# Altium PCB DIO_RJ45.PCBDOC (part 1 of 3) (continued)
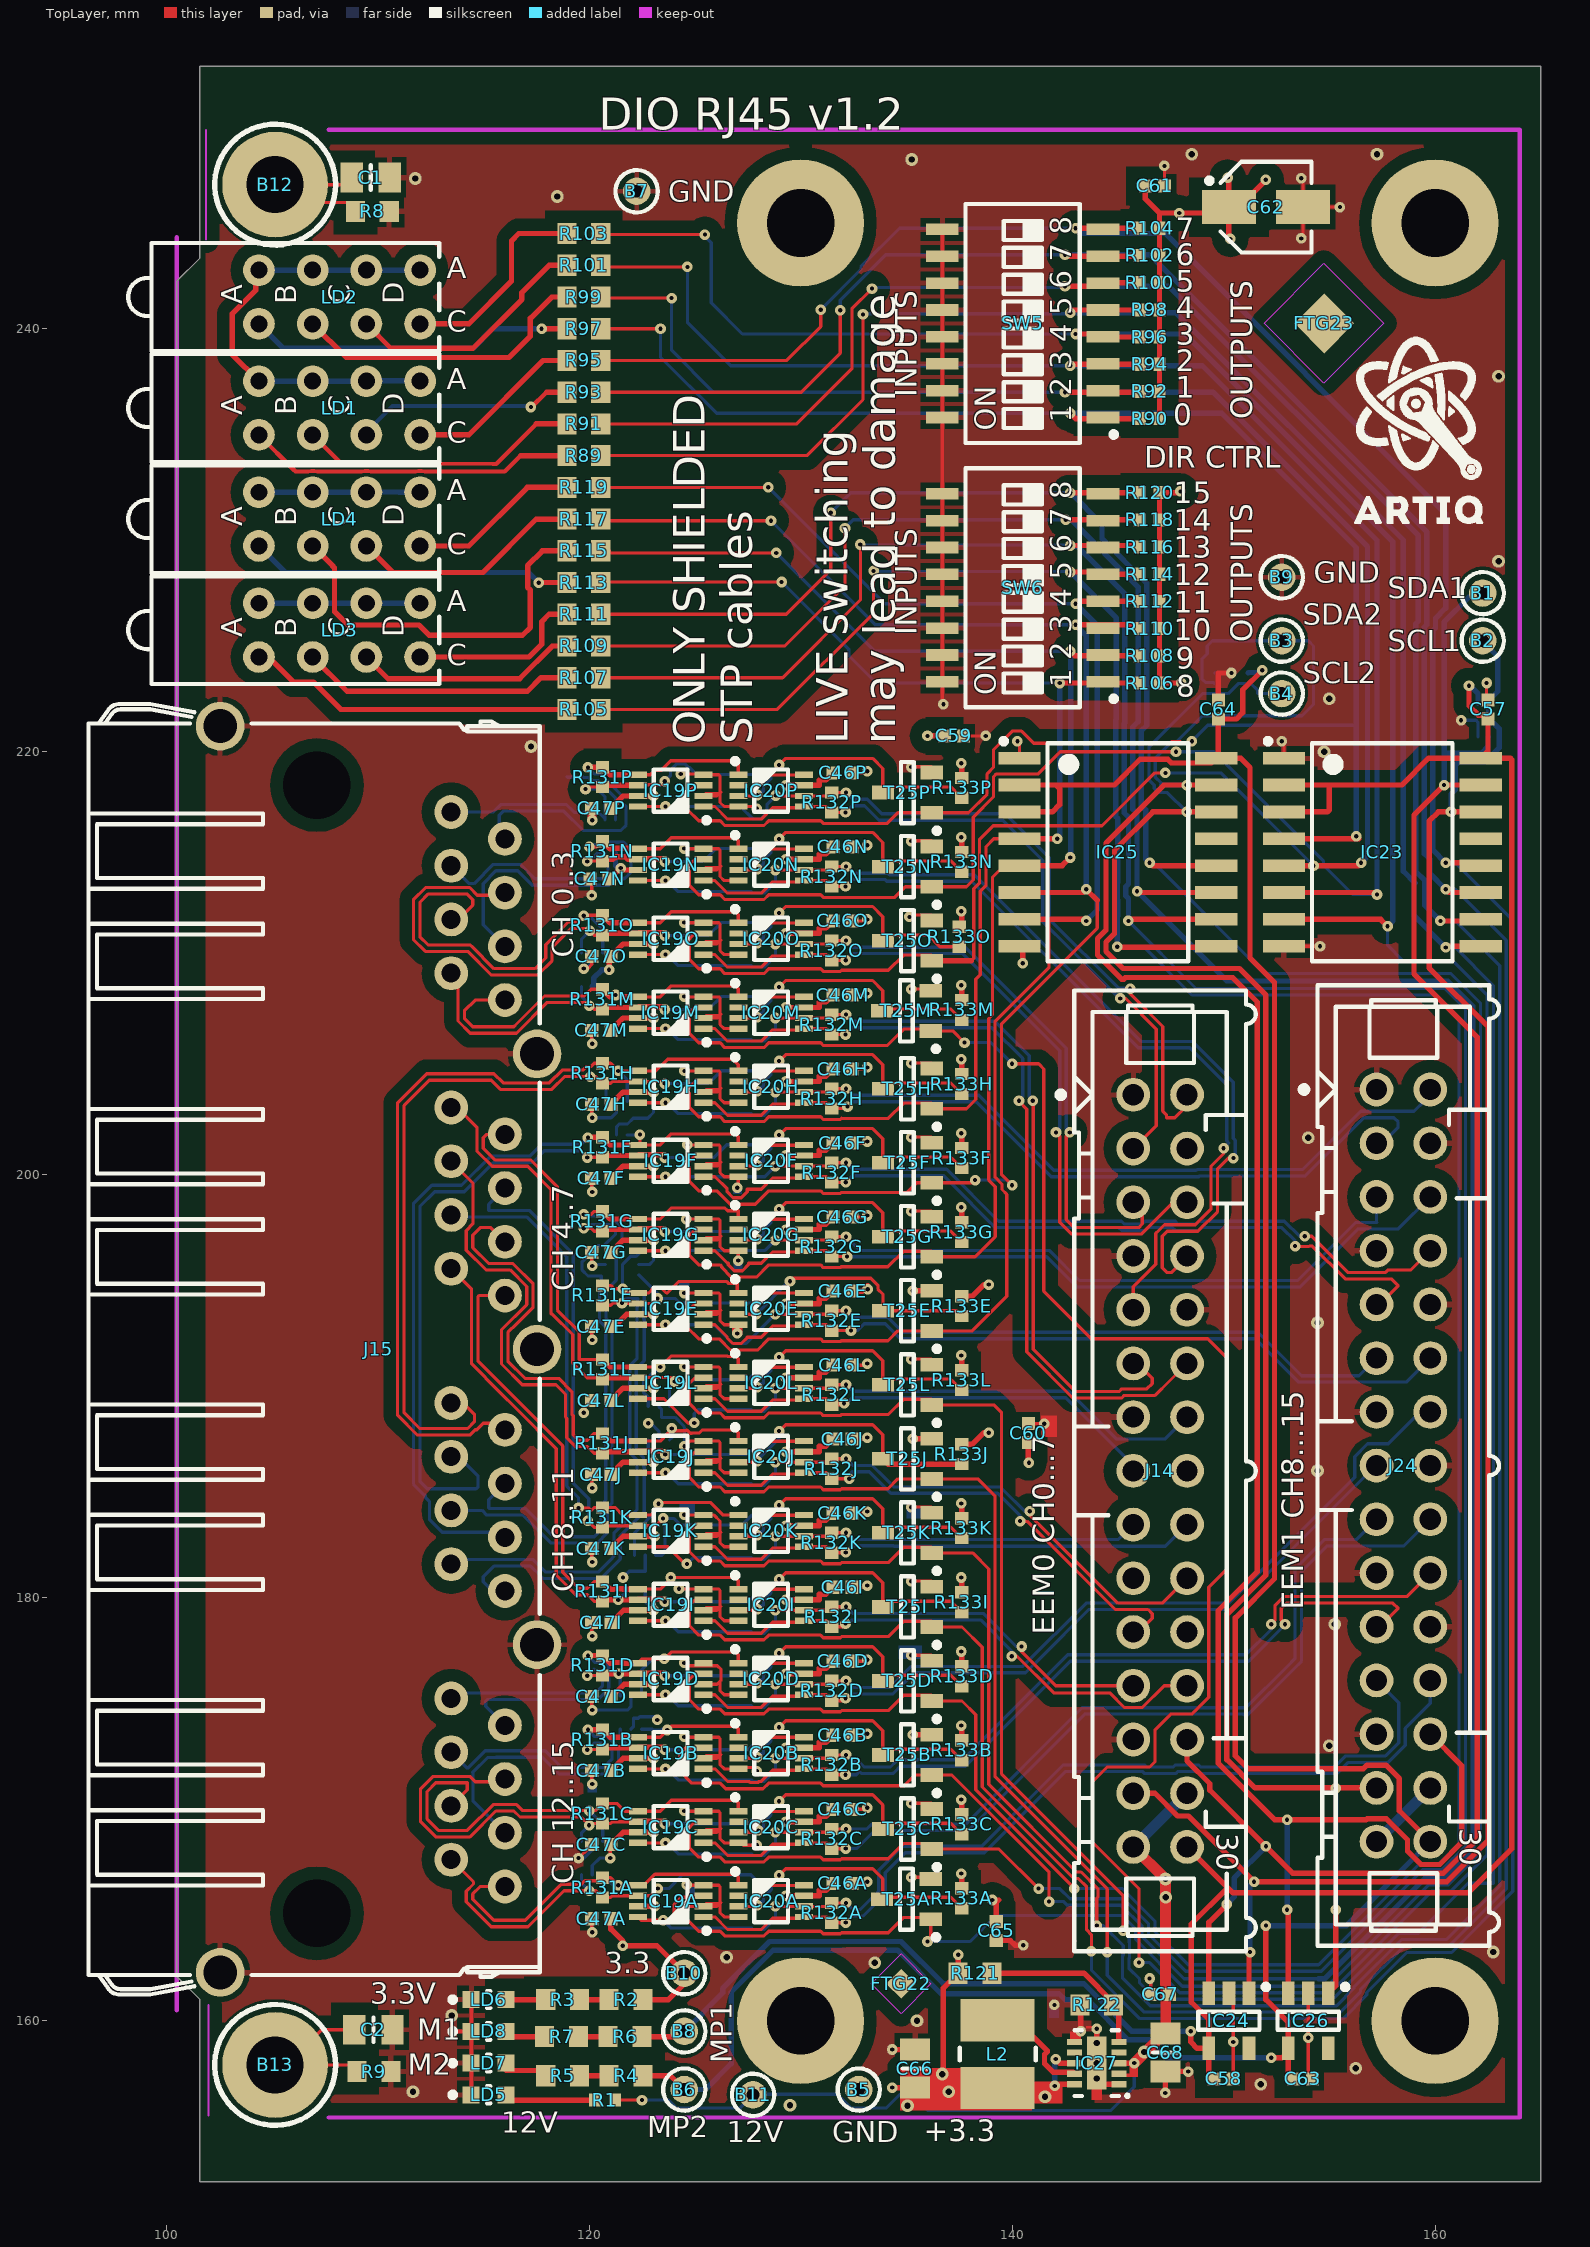
[diagram p0: TopLayer view]
## Components (designator, comment, footprint, x,y, rotation, side; value= is the part's Value field where it differs from the comment) (continued)
IC20H "FIN1101K8X" SOP50P310X90-8N 128.603,204.16 r0 top (schematic designator IC20)
IC20I "FIN1101K8X" SOP50P310X90-8N 128.603,179.66 r0 top (schematic designator IC20)
IC20J "FIN1101K8X" SOP50P310X90-8N 128.603,186.66 r0 top (schematic designator IC20)
IC20K "FIN1101K8X" SOP50P310X90-8N 128.603,183.16 r0 top (schematic designator IC20)
IC20L "FIN1101K8X" SOP50P310X90-8N 128.603,190.16 r0 top (schematic designator IC20)
IC20M "FIN1101K8X" SOP50P310X90-8N 128.603,207.66 r0 top (schematic designator IC20)
IC20N "FIN1101K8X" SOP50P310X90-8N 128.603,214.66 r0 top (schematic designator IC20)
IC20O "FIN1101K8X" SOP50P310X90-8N 128.603,211.16 r0 top (schematic designator IC20)
IC20P "FIN1101K8X" SOP50P310X90-8N 128.603,218.16 r0 top (schematic designator IC20)
IC23 "PCF8574ADW" SOIC127P1030X265-16N 157.5,215.25 r0 top
IC24 "24AA02E48T-I/OT" SOT95P280X145-5N 150.25,160 r270 top
IC25 "PCF8574ADW" SOIC127P1030X265-16N 145,215.25 r0 top
IC26 "24AA02E48T-I/OT" SOT95P280X145-5N 154,160 r270 top
IC27 "TPS62175DQC" SON50P200X300X80-11N-R94X250 144,158 r180 top
J14 "=Familly" 3M_N2530-6002RB 147,186 r270 top
J15 "RJ45" TYCO_5406203-3 114.75,191.75 r90 top locked
J24 "=Familly" 3M_N2530-6002RB 158.5,186.25 r270 top
L2 "10uH" IND_MURATA-PS_8400 139.319,158.42 r270 top
LD1 "Green" LED_BIVAR_H485CGDL 108.2,236.25 r0 top locked
LD2 "Green" LED_BIVAR_H485CGDL 108.2,241.5 r0 top locked
LD3 "Green" LED_BIVAR_H485CGDL 108.2,225.75 r0 top locked
LD4 "Green" LED_BIVAR_H485CGDL 108.2,231 r0 top locked
LD5 "Green" LED_KINGBRIGHT_KPH-1608CGCK 115.25,156.5 r0 top
LD6 "Green" LED_KINGBRIGHT_KPH-1608CGCK 115.25,161 r0 top
LD7 "Green" LED_KINGBRIGHT_KPH-1608CGCK 115.25,158 r0 top
LD8 "Green" LED_KINGBRIGHT_KPH-1608CGCK 115.25,159.5 r0 top
R1 "10k" RESC1005X40N 120.75,156.25 r0 top
R2 "220" RESC1608X55N 121.75,161 r180 top
R3 "220" RESC1608X55N 118.75,161 r180 top
R4 "220" RESC1608X55N 121.75,157.4 r180 top
R5 "220" RESC1608X55N 118.75,157.4 r180 top
R6 "220" RESC1608X55N 121.7,159.25 r180 top
R7 "220" RESC1608X55N 118.7,159.25 r180 top
R8 "0" RESC1608X55N 109.75,245.55 r180 top
R9 "0" RESC1608X55N 109.825,157.6 r180 top
R89 "220" RESC1608X55N 119.75,234 r0 top
R90 "10k" RESC1005X40N 146.5,235.75 r0 top
R91 "220" RESC1608X55N 119.75,235.5 r0 top
R92 "10k" RESC1005X40N 146.5,237.036 r0 top
R93 "220" RESC1608X55N 119.75,237 r0 top
R94 "10k" RESC1005X40N 146.5,238.321 r0 top
R95 "220" RESC1608X55N 119.75,238.5 r0 top
R96 "10k" RESC1005X40N 146.5,239.607 r0 top
R97 "220" RESC1608X55N 119.75,240 r0 top
R98 "10k" RESC1005X40N 146.5,240.893 r0 top
R99 "220" RESC1608X55N 119.75,241.5 r0 top
R100 "10k" RESC1005X40N 146.5,242.179 r0 top
R101 "220" RESC1608X55N 119.75,243 r0 top
R102 "10k" RESC1005X40N 146.5,243.464 r0 top
R103 "220" RESC1608X55N 119.75,244.5 r0 top
R104 "10k" RESC1005X40N 146.5,244.75 r0 top
R105 "220" RESC1608X55N 119.75,222 r0 top
R106 "10k" RESC1005X40N 146.5,223.25 r0 top
R107 "220" RESC1608X55N 119.75,223.5 r0 top
R108 "10k" RESC1005X40N 146.5,224.536 r0 top
R109 "220" RESC1608X55N 119.75,225 r0 top
R110 "10k" RESC1005X40N 146.5,225.821 r0 top
R111 "220" RESC1608X55N 119.75,226.5 r0 top
R112 "10k" RESC1005X40N 146.5,227.107 r0 top
R113 "220" RESC1608X55N 119.75,228 r0 top
R114 "10k" RESC1005X40N 146.5,228.393 r0 top
R115 "220" RESC1608X55N 119.75,229.5 r0 top
R116 "10k" RESC1005X40N 146.5,229.679 r0 top
R117 "220" RESC1608X55N 119.75,231 r0 top
R118 "10k" RESC1005X40N 146.5,230.964 r0 top
R119 "220" RESC1608X55N 119.75,232.5 r0 top
R120 "10k" RESC1005X40N 146.5,232.25 r0 top
R121 "270k" RESC1608X55N 138.25,162.25 r180 top
R122 "82k" RESC1608X55N 144,160.75 r0 top
R131A "100" RESC1005X40N 120.628,166.299 r270 top (schematic designator R131)
R131B "100" RESC1005X40N 120.628,173.299 r270 top (schematic designator R131)
R131C "100" RESC1005X40N 120.628,169.799 r270 top (schematic designator R131)
R131D "100" RESC1005X40N 120.628,176.799 r270 top (schematic designator R131)
R131E "100" RESC1005X40N 120.628,194.299 r270 top (schematic designator R131)
R131F "100" RESC1005X40N 120.628,201.299 r270 top (schematic designator R131)
R131G "100" RESC1005X40N 120.628,197.799 r270 top (schematic designator R131)
R131H "100" RESC1005X40N 120.628,204.799 r270 top (schematic designator R131)
R131I "100" RESC1005X40N 120.628,180.299 r270 top (schematic designator R131)
R131J "100" RESC1005X40N 120.628,187.299 r270 top (schematic designator R131)
R131K "100" RESC1005X40N 120.628,183.799 r270 top (schematic designator R131)
R131L "100" RESC1005X40N 120.628,190.799 r270 top (schematic designator R131)
R131M "100" RESC1005X40N 120.628,208.299 r270 top (schematic designator R131)
R131N "100" RESC1005X40N 120.628,215.299 r270 top (schematic designator R131)
R131O "100" RESC1005X40N 120.628,211.799 r270 top (schematic designator R131)
R131P "100" RESC1005X40N 120.628,218.799 r270 top (schematic designator R131)
R132A "100" RESC1005X40N 131.474,165.101 r270 top (schematic designator R132)
R132B "100" RESC1005X40N 131.474,172.101 r270 top (schematic designator R132)
R132C "100" RESC1005X40N 131.474,168.601 r270 top (schematic designator R132)
R132D "100" RESC1005X40N 131.474,175.601 r270 top (schematic designator R132)
R132E "100" RESC1005X40N 131.474,193.101 r270 top (schematic designator R132)
R132F "100" RESC1005X40N 131.474,200.101 r270 top (schematic designator R132)
R132G "100" RESC1005X40N 131.474,196.601 r270 top (schematic designator R132)
R132H "100" RESC1005X40N 131.474,203.601 r270 top (schematic designator R132)
R132I "100" RESC1005X40N 131.474,179.101 r270 top (schematic designator R132)
R132J "100" RESC1005X40N 131.474,186.101 r270 top (schematic designator R132)
R132K "100" RESC1005X40N 131.474,182.601 r270 top (schematic designator R132)
R132L "100" RESC1005X40N 131.474,189.601 r270 top (schematic designator R132)
R132M "100" RESC1005X40N 131.474,207.101 r270 top (schematic designator R132)
R132N "100" RESC1005X40N 131.474,214.101 r270 top (schematic designator R132)
R132O "100" RESC1005X40N 131.474,210.601 r270 top (schematic designator R132)
R132P "100" RESC1005X40N 131.474,217.601 r270 top (schematic designator R132)
R133A "10k" RESC1005X40N 137.62,165.791 r90 top (schematic designator R133)
R133B "10k" RESC1005X40N 137.62,172.791 r90 top (schematic designator R133)
R133C "10k" RESC1005X40N 137.62,169.291 r90 top (schematic designator R133)
R133D "10k" RESC1005X40N 137.62,176.291 r90 top (schematic designator R133)
R133E "10k" RESC1005X40N 137.62,193.791 r90 top (schematic designator R133)
R133F "10k" RESC1005X40N 137.62,200.791 r90 top (schematic designator R133)
R133G "10k" RESC1005X40N 137.62,197.291 r90 top (schematic designator R133)
R133H "10k" RESC1005X40N 137.62,204.291 r90 top (schematic designator R133)
R133I "10k" RESC1005X40N 137.62,179.791 r90 top (schematic designator R133)
R133J "10k" RESC1005X40N 137.62,186.791 r90 top (schematic designator R133)
R133K "10k" RESC1005X40N 137.62,183.291 r90 top (schematic designator R133)
R133L "10k" RESC1005X40N 137.62,190.291 r90 top (schematic designator R133)
R133M "10k" RESC1005X40N 137.62,207.791 r90 top (schematic designator R133)
R133N "10k" RESC1005X40N 137.62,214.791 r90 top (schematic designator R133)
R133O "10k" RESC1005X40N 137.5,211.25 r90 top (schematic designator R133)
R133P "10k" RESC1005X40N 137.62,218.291 r90 top (schematic designator R133)
SW5 "Switch" SW_TYCO_1-1571983-0 140.5,240.25 r180 top
SW6 "Switch" SW_TYCO_1-1571983-0 140.5,227.75 r180 top
T25A "BSS138LT1G" SOT95P240X110-3N 135,165.75 r180 top (schematic designator T25)
T25B "BSS138LT1G" SOT95P240X110-3N 135.046,172.569 r180 top (schematic designator T25)
T25C "BSS138LT1G" SOT95P240X110-3N 135.046,169.069 r180 top (schematic designator T25)
T25D "BSS138LT1G" SOT95P240X110-3N 135.046,176.069 r180 top (schematic designator T25)
T25E "BSS138LT1G" SOT95P240X110-3N 135.046,193.569 r180 top (schematic designator T25)
T25F "BSS138LT1G" SOT95P240X110-3N 135.046,200.569 r180 top (schematic designator T25)
T25G "BSS138LT1G" SOT95P240X110-3N 135.046,197.069 r180 top (schematic designator T25)
T25H "BSS138LT1G" SOT95P240X110-3N 135.046,204.069 r180 top (schematic designator T25)
T25I "BSS138LT1G" SOT95P240X110-3N 135.046,179.569 r180 top (schematic designator T25)
T25J "BSS138LT1G" SOT95P240X110-3N 135.046,186.569 r180 top (schematic designator T25)
T25K "BSS138LT1G" SOT95P240X110-3N 135.046,183.069 r180 top (schematic designator T25)
T25L "BSS138LT1G" SOT95P240X110-3N 135.046,190.069 r180 top (schematic designator T25)
T25M "BSS138LT1G" SOT95P240X110-3N 135,207.75 r180 top (schematic designator T25)
T25N "BSS138LT1G" SOT95P240X110-3N 135.046,214.569 r180 top (schematic designator T25)
T25O "BSS138LT1G" SOT95P240X110-3N 135.046,211.069 r180 top (schematic designator T25)
T25P "BSS138LT1G" SOT95P240X110-3N 135.046,218.069 r180 top (schematic designator T25)

## Footprints (in the part's own frame and the unit in brackets; to place one, negate y for a bottom-side part, rotate by r counter-clockwise, add the part's x,y. Pads: shape width x height; smd on the part's side, far side on the other; paste and mask are expansions set on the pad)
3M_N2530-6002RB [mm] "30 Contacts - Straight .100\" x .100\" Low Profile Four-Wall Header"
  round 1.6 hole 1: 1(-17.78,-1.27) 2(-17.78,1.27) 3(-15.24,-1.27) 4(-15.24,1.27) 5(-12.7,-1.27) 6(-12.7,1.27) 7(-10.16,-1.27) 8(-10.16,1.27) 9(-7.62,-1.27) 10(-7.62,1.27) 11(-5.08,-1.27) 12(-5.08,1.27) 13(-2.54,-1.27) 14(-2.54,1.27) 15(0,-1.27) 16(0,1.27) 17(2.54,-1.27) 18(2.54,1.27) 19(5.08,-1.27) 20(5.08,1.27) 21(7.62,-1.27) 22(7.62,1.27) 23(10.16,-1.27) 24(10.16,1.27) 25(12.7,-1.27) 26(12.7,1.27) 27(15.24,-1.27) 28(15.24,1.27) 29(17.78,-1.27) 30(17.78,1.27)
  silkscreen extent -22.71,-4.85 22.71,4.52, body extent -22.71,-4.11 22.71,4.52, height 9.91
c130h60 [mm] "Plated Through Hole: Hole Dia.=0.6mm Pad Dia.=1.30mm"
  round 1.3 hole 0.6: 1(0,0)
  silkscreen extent -1,-1 1,1
CAPAE430X540N [mm] "Capacitor, Aluminium Electrolytric, 4.3mm L X 4.3mm W X 5.4mm H, IPC Medium Density"
  rect 2.55x1.6 smd: 1(-1.75,0) 2(1.75,0)
  silkscreen extent -2.8,-2.15 2.15,2.15, body extent -2.75,-2.25 2.75,2.25, height 5.7
CAPC1005X55N [mm] "Capacitor, Non-Polarized, Chip; 1.00mm L X 0.50mm W X 0.70mm H, IPC Medium Density"
  rect 0.62x0.62 smd: 1(-0.45,0) 2(0.45,0)
  body extent -0.52,-0.27 0.53,0.28, height 0.55
CAPC2012X135N [mm] "Chip Capacitor, Body 2.0x1.25mm, IPC Medium Density"
  rect 1.05x1.4 smd: 1(-0.9,0) 2(0.9,0)
  silkscreen extent 0,-0.58 0,0.58, body extent -1.05,-0.67 1.05,0.68, height 1.25
FIDUCIAL_TOP_C100-200 [mm] "Round Fiducial Target, Top Layer, 1.0mm, Top Solder 2.0mm, Keepout =2.0mm"
  round 1 smd paste-0.51 mask+0.5: FTG2(0,0)
  TopLayer keep-out circle w0.1: c0,0 r1
FIDUCIAL_TOP_S100-200 [mm] "Square Fiducial Target, Top Layer, 1.0mm, Top Solder 2.0mm, Keepout =2.0mm"
  rect 1x1 smd rot 45 paste-0.51 mask+0.5: 1(0,0)
  TopLayer keep-out region: 1.414,0 0,-1.414 -1.414,0 0,1.414
FIDUCIAL_TOP_S200-400 [mm] "Square Fiducial Target, Top Layer, 2.0mm, Top Solder 4.0mm, Keepout =4.0mm"
  rect 2x2 smd rot 45 paste-0.9 mask+1: 1(0,0)
  TopLayer keep-out region: -2.839,0.011 -0.011,2.839 2.818,0.011 -0.011,-2.818
IND_MURATA-PS_8400 [mm] "Miniature Surface Mount Power Inductors, 4.5mm L X 3.3mm W X 2.9mm H, MURATA 8400 Serie"
  rect 2x3.5 smd: 1(-1.6,0) 2(1.6,0)
  silkscreen extent -0.3,-1.8 0.3,1.8, body extent -2.4,-1.8 2.4,1.8, height 2.9
LED_BIVAR_H485CGDL [mm] "Quad-Level 2mm Green, PCB Edge Mounting  BIVAR H485CGDL"
  round 1.5 hole 0.8: 1(-3.81,-1.27) 2(-3.81,1.27) 3(-1.27,-1.27) 4(-1.27,1.27) 5(1.27,-1.27) 6(1.27,1.27) 7(3.81,-1.27) 8(3.81,1.27)
  silkscreen extent -9.99,-2.55 4.71,2.55, body extent -9.99,-2.55 4.71,2.55, height 11.3
LED_KINGBRIGHT_KPH-1608CGCK [mm] "SMT Green LED, Case 0603, Body L 1.6 x W 0.8mm H 0.65mm"
  rect 0.8x0.8 smd: 1(-0.825,0) 2(0.825,0)
  silkscreen extent -1.82,-0.4 0.08,0.4, body extent -0.8,-0.4 0.8,0.4, height 0.65
MTG270_500 [mm] "Plated Through Hole: Hole Dia.=2.7mm Pad Dia.=5.0mm"
  round 5 hole 2.7: 1(0,0)
RESC1005X40N [mm] "Chip Resistor, EIA 0402, Metric 1005, Body 1.0x0.5mm, IPC Medium Density"
  rect 0.58x0.62 smd: 1(-0.47,0) 2(0.47,0)
  body extent -0.52,-0.27 0.53,0.28, height 0.4
RESC1608X55N [mm] "Chip Resistor, EIA 0603, Metric 1608, Body 1.6x0.8mm, IPC Medium Density"
  rect 0.9x1 smd: 1(-0.8,0) 2(0.8,0)
  body extent -0.87,-0.47 0.88,0.48, height 0.55
SOIC127P1030X265-16N [mm] "SOIC 16, Pitch 1.27mm - Body 7.5x10.3mm, IPC Medium Density"
  rect 2x0.6 smd: 1(-4.65,4.445) 2(-4.65,3.175) 3(-4.65,1.905) 4(-4.65,0.635) 5(-4.65,-0.635) 6(-4.65,-1.905) 7(-4.65,-3.175) 8(-4.65,-4.445) 9(4.65,-4.445) 10(4.65,-3.175) 11(4.65,-1.905) 12(4.65,-0.635) 13(4.65,0.635) 14(4.65,1.905) 15(4.65,3.175) 16(4.65,4.445)
  silkscreen extent -5.52,-5.15 3.32,5.37, body extent -5.18,-5.25 5.18,5.25, height 1.68
SON50P200X300X80-11N-R94X250 [mm] "SON, 10-Leads, Body 2x3mm, Pitch 0.5mm, Thermal Pad 0.94x2.5mm, IPC Medium Density"
  rect 0.7x0.3 smd: 1(-1.05,1) 2(-1.05,0.5) 3(-1.05,0) 4(-1.05,-0.5) 5(-1.05,-1) 6(1.05,-1) 7(1.05,-0.5) 8(1.05,0) 9(1.05,0.5) 10(1.05,1)
  rect 0.94x2.5 smd: 11(0,0)
  silkscreen extent -1.5,-1.55 1.05,1.6, body extent -1.05,-1.55 1.05,1.55, height 0.8
SOP50P310X90-8N [mm] "SOP, 0.50mm pitch; 8 pin, 2.30mm W X 2.00mm L X 0.90mm H body, PC Medium Density"
  rect 0.85x0.3 smd: 1(-1.55,0.75) 2(-1.55,0.25) 3(-1.55,-0.25) 4(-1.55,-0.75) 5(1.55,-0.75) 6(1.55,-0.25) 7(1.55,0.25) 8(1.55,0.75)
  silkscreen extent -1.83,-1 0.8,1.52, body extent -1.62,-1 1.62,1, height 0.9
SOT95P240X110-3N [mm] "SOT23 3-Leads, Pitch 0.95mm, Body 1.3x2.9mm, IPC Medium Density"
  rect 1.05x0.65 smd: 1(-1.15,0.95) 2(-1.15,-0.95) 3(1.15,0)
  silkscreen extent -1.53,-1.45 0.3,1.92, body extent -1.25,-1.5 1.25,1.5, height 1.1
SOT95P280X145-5N [mm] "SOT, 0.95mm pitch; 5 pin, 1.60mm W X 2.90mm L X 1.45mm H body, IPC Medium Density"
  rect 1.1x0.6 smd: 1(-1.3,0.95) 2(-1.3,0) 3(-1.3,-0.95) 4(1.3,-0.95) 5(1.3,0.95)
  silkscreen extent -1.72,-1.45 0.43,1.88, body extent -1.4,-1.5 1.4,1.5, height 1.45
SOTFL50P160X60-6N [mm] "SOTFL (SOT666), 0.50mm, Pitch; 6 Pin, 1.20mm W X 1.60mm L X 0.60mm H Body, IPC Medium Density"
  rect 0.57x0.3 smd: 1(-0.79,0.5) 2(-0.79,0) 3(-0.79,-0.5) 4(0.79,-0.5) 5(0.79,0) 6(0.79,0.5)
  silkscreen extent -1.22,-0.8 0,1.27, body extent -0.85,-0.85 0.85,0.85, height 0.6
SW_TYCO_1-1571983-0 [mm] "Pitch 1.27mm,  Body 11.28x6.2mm, 8 Ways SPST Surface-Mount DIP Switch, TYCO GDH Serie"
  rect 1.55x0.55 smd: 1(-3.8,4.445) 2(-3.8,3.175) 3(-3.8,1.905) 4(-3.8,0.635) 5(-3.8,-0.635) 6(-3.8,-1.905) 7(-3.8,-3.175) 8(-3.8,-4.445) 9(3.8,-4.445) 10(3.8,-3.175) 11(3.8,-1.905) 12(3.8,-0.635) 13(3.8,0.635) 14(3.8,1.905) 15(3.8,3.175) 16(3.8,4.445)
  silkscreen extent -4.43,-5.65 2.7,5.65, body extent -4.06,-5.64 4.06,5.64, height 2.36
TYCO_5406203-3 [mm] "4 x RJ45 Jacks - 8 Positions"
  round 1.6 hole 0.9: 1A(-16.51,1.27) 1B(-2.54,1.27) 1C(11.43,1.27) 1D(25.4,1.27) 2A(-17.78,-1.27) 2B(-3.81,-1.27) 2C(10.16,-1.27) 2D(24.13,-1.27) 3A(-19.05,1.27) 3B(-5.08,1.27) 3C(8.89,1.27) 3D(22.86,1.27) 4A(-20.32,-1.27) 4B(-6.35,-1.27) 4C(7.62,-1.27) 4D(21.59,-1.27) 5A(-21.59,1.27) 5B(-7.62,1.27) 5C(6.35,1.27) 5D(20.32,1.27) 6A(-22.86,-1.27) 6B(-8.89,-1.27) 6C(5.08,-1.27) 6D(19.05,-1.27) 7A(-24.13,1.27) 7B(-10.16,1.27) 7C(3.81,1.27) 7D(17.78,1.27) 8A(-25.4,-1.27) 8B(-11.43,-1.27) 8C(2.54,-1.27) 8D(16.51,-1.27)
  round 0.5 hole 3.2 unplated mask+1.35: M1(26.67,7.62) M2(-26.67,7.62)
  round 2.3 hole 1.6: SH(-29.46,12.19) SH(-13.97,-2.792) SH(0,-2.792) SH(13.97,-2.792) SH(29.46,12.19)
  silkscreen extent -30.51,-2.92 30.51,18.42, body extent -30.51,-2.92 30.51,18.42, height 14.55

## Part data
B1 B2 B3 B4 B5 B6 B7 B8 B9 B10 B11: library part PLATED_HOLE0.6_PAD1.3, "Single Terminal Socket", Author="CERN DEM MR", Component Type="Standard (No BOM)", ComponentHeight=0mm, CreateDate=02.03.2016, Family="Plated Hole", HelpURL=Undefined, LatestRevisionDate=02.03.2016, Mounted=No, PackageDescription="Plated Through Hole: Hole Dia.=0.6mm Pad Dia.=1.3mm", Part Description="Plated Through Hole: Hole Dia.=0.6mm Pad Dia.=1.3mm", Part Number=PLATED_HOLE0.6_PAD1.3, Pin Count=1, Sense=No, SMD=No, Socket=No, Status=None
B12 B13: library part PLATED_HOLE2.7_PAD5.0, "Single Terminal Socket", Author="CERN DEM JMW", Component Type="Standard (No BOM)", ComponentHeight=0mm, CreateDate=27.09.2011, Family="Plated Hole", HelpURL=Undefined, LatestRevisionDate=27.09.2011, Mounted=No, PackageDescription="Plated Through Hole: Hole Dia.=2.7mm Pad Dia.=5.0mm", Part Description="Plated Through Hole: Hole Dia.=2.7mm Pad Dia.=5.0mm", Part Number=PLATED_HOLE2.7_PAD5.0, Pin Count=1, Sense=No, SMD=No, Socket=No, Status=None
C1 C2: library part CC0805_NO-VALUE, "Non-polarised capacitor", Case=0805, Manufacturer1 ComponentHeight=1.35mm, Author="CERN DEM JLC", Component Type=Standard, CreateDate=10.12.2008, HelpURL=Undefined, LatestRevisionDate=11.09.2013, Manufacturer=Undefined, Manufacturer Part Number=CC0805_NO-VALUE, Mounted=No, Part Description="Reserved Footprint For 0805(2012) Chip Ceramic Capacitor", Part Number=CC0805_NO-VALUE, Pin Count=2, Sense=No, SMD=Yes, Socket=No, Status=None
C46A C46B C46C C46D C46E C46F C46G C46H C46I C46J C46K C46L C46M C46N C46O C46P C47A C47B C47C C47D C47E C47F C47G C47H C47I C47J C47K C47L C47M C47N C47O C47P C57 C58 C59 C60 C61 C63 C64 C65 C67: library part CC0402_100NF_16V_10%_X5R, "Non-polarised capacitor", Case=0402, Manufacturer=GENERIC, Manufacturer1 ComponentHeight=0.55mm, Manufacturer1 Example=MURATA, Manufacturer1 Part Number=GRM155R61C104KA88D, Tolerance=±10%, Voltage=16V, Author="CERN DEM JLC", Component Type=Standard, CreateDate=10.12.2013, HelpURL=\\cern.ch\dfs\Applications\Altium\Datasheets\CC0402_X5R_MURATA_GRM.pdf, LatestRevisionDate=10.12.2013, Manufacturer Part Number=CC0402_100NF_16V_10%_X5R, Mounted=Yes, Part Description="SMD Multilayer Chip Ceramic Capacitor", Part Number=CC0402_100NF_16V_10%_X5R, Pin Count=2, Sense=No, SMD=Yes, Socket=No, Status=None, TC=X5R
C62: library part CAE430-540_10UF_16V_20%, "Polarised capacitor", Case=B, Manufacturer=PANASONIC, Manufacturer Part Number=EEEFK1C100AR, Tolerance=±20%, Voltage=16V, Author="CERN DEM JLC", Component Type=Standard, ComponentHeight=5.8mm, CreateDate=03.12.2007, HelpURL=\\cern.ch\dfs\Applications\Altium\Datasheets\CAE_PANASONIC_FK.pdf, LatestRevisionDate=05.11.2014, Mounted=Yes, Part Description="Aluminum Electrolytic SMT Capacitor", Part Number=CAE430-540_10UF_16V_20%, Pin Count=2, Sense=No, SMD=Yes, Socket=No, Status="Not Recommended"
C66 C68: library part CC0805_22UF_16V_10%_X5R, "Non-polarised capacitor", Case=0805, Manufacturer=GENERIC, Manufacturer1 ComponentHeight=1.35mm, Manufacturer1 Example=TDK, Manufacturer1 Part Number=C2012X5R1C226KT, Tolerance=±10%, Voltage=16V, Author="CERN DEM JLC", Component Type=Standard, CreateDate=25.10.2012, HelpURL=\\cern.ch\dfs\Applications\Altium\Datasheets\CC0805_X5R_TDK_C.pdf, LatestRevisionDate=25.10.2012, Manufacturer Part Number=CC0805_22UF_16V_10%_X5R, Mounted=Yes, Part Description="SMD Multilayer Chip Ceramic Capacitor", Part Number=CC0805_22UF_16V_10%_X5R, Pin Count=2, Sense=No, SMD=Yes, Socket=No, Status=Preferred, TC=X5R
D1 D2 D3 D4 D5 D6 D7 D8 D9 D10: Manufacturer="ON SEMICONDUCTOR", Voltage=5.5V, Author="CERN DEM JLC", Bonding=No, Component Type=Standard, ComponentHeight=1.75mm, CreateDate=05.12.2012, Device=NUP4114UPXV6T1G, HelpURL=\\cern.ch\dfs\Applications\Altium\Datasheets\NUP4114UPXV6T1G.pdf, LatestRevisionDate=05.12.2012, Manufacturer Part Number=NUP4114UPXV6T1G, Mounted=Yes, PackageDescription="SOTFL (SOT666, SOT563,), 0.50mm, Pitch; 6 Pin, 1.20mm W X 1.60mm L X 0.60mm H Body, IPC Medium Density", Part Description="ESD Protection Diodes Array (8kV) with Low Clamping Voltage", Part Number=NUP4114UPXV6T1G, Pin Count=8, PressFit=No, Sense=No, SMD=Yes, Socket=No
FTG21: library part FIDUCIAL_TARGET_C100-200, "Fiducial Target", Author="CERN DEM JLC", Component Type="Standard (No BOM)", ComponentHeight=0mm, CreateDate=09.02.2010, Family=Fiducial, HelpURL=Undefined, LatestRevisionDate=04.04.2012, Mounted=No, PackageDescription="Round Fiducial Target, Top Layer, 1.0mm, Top Solder 2.0mm, Keepout =2.0mm", Part Description="Round Fiducial Target, Top Layer, 1.0mm, Top Solder 2.0mm, Keepout =2.0mm", Part Number=FIDUCIAL_TARGET_C100-200, Pin Count=1, Sense=No, SMD=Yes, Socket=No, Status=None
FTG22 FTG24: library part FIDUCIAL_TARGET_S100-200, "Fiducial Target", Author="CERN DEM JLC", Component Type="Standard (No BOM)", ComponentHeight=0mm, CreateDate=09.02.2010, Family=Fiducial, HelpURL=Undefined, LatestRevisionDate=04.04.2012, Mounted=No, PackageDescription="Square Fiducial Target, Top Layer, 1.0mm, Top Solder 2.0mm, Keepout =2.0mm", Part Description="Square Fiducial Target, Top Layer, 1.0mm, Top Solder 2.0mm, Keepout =2.0mm", Part Number=FIDUCIAL_TARGET_S100-200, Pin Count=1, Sense=No, SMD=Yes, Socket=No, Status=None
FTG23: library part FIDUCIAL_TARGET_S200-400, "Fiducial Target", Author="CERN DEM JLC", Component Type="Standard (No BOM)", ComponentHeight=0mm, CreateDate=02.06.2008, Family=Fiducial, HelpURL=Undefined, LatestRevisionDate=04.04.2012, Mounted=No, PackageDescription="Square Fiducial Target, Top Layer, 2.0mm, Top Solder 4.0mm, Keepout =4.0mm", Part Description="Square Fiducial Target, Top Layer, 2.0mm, Top Solder 4.0mm, Keepout =4.0mm", Part Number=FIDUCIAL_TARGET_S200-400, Pin Count=1, Sense=No, SMD=Yes, Socket=No, Status=None
IC19A IC19B IC19C IC19D IC19E IC19F IC19G IC19H IC19I IC19J IC19K IC19L IC19M IC19N IC19O IC19P IC20A IC20B IC20C IC20D IC20E IC20F IC20G IC20H IC20I IC20J IC20K IC20L IC20M IC20N IC20O IC20P: "LVDS Single Port High Speed Repeater", Case=TSSOP8, Manufacturer="FAIRCHILD SEMICONDUCTOR", Author="CERN DEM JLC", Bonding=No, Component Type=Standard, ComponentHeight=0.8mm, CreateDate=08.11.2016, Device=FIN1101K8X, HelpURL=\\cern.ch\dfs\Applications\Altium\Datasheets\FIN1101K8X.pdf, LatestRevisionDate=08.11.2016, Manufacturer Part Number=FIN1101K8X, Mounted=Yes, PackageDescription="SOP, 0.50mm Pitch; 8 pin, 2.30mm W X 2.00mm L X 0.90mm H body, PC Medium Density", Part Description="LVDS Single Port High Speed Repeater", Part Number=FIN1101K8X, Pin Count=8, PressFit=No, Sense=No, SMD=Yes, Socket=No
IC23 IC25: "Remote 8-bit I/O Expander For I2C Bus", Case=SOIC16W, Manufacturer="TEXAS INSTRUMENTS", Author="CERN DEM JLC", Bonding=No, Component Type=Standard, ComponentHeight=2.65mm, CreateDate=01.11.2012, Device=PCF8574ADW, HelpURL=\\cern.ch\dfs\Applications\Altium\Datasheets\PCF8574ADW.pdf, LatestRevisionDate=01.11.2012, Manufacturer Part Number=PCF8574ADW, Mounted=Yes, PackageDescription="SOIC 16, Pitch 1.27mm - Body 7.5x10.3mm, IPC Medium Density", Part Description="Remote 8-bit I/O Expander For I2C Bus", Part Number=PCF8574ADW, Pin Count=16, PressFit=No, Sense=No, SMD=Yes, Socket=No
IC24 IC26: "1.7V-5.5V, 2K I2C Serial EEPROM With EUI-48 Node Identity", Case=SOT23-5, Manufacturer="MICROCHIP TECHNOLOGY", Author="CERN DEM MR", Bonding=No, Component Type=Standard, ComponentHeight=1.45mm, CreateDate=31.03.2016, Device=24AA02E48T-I/OT, HelpURL=\\cern.ch\dfs\Applications\Altium\Datasheets\24AA02E48T-I-OT.pdf, LatestRevisionDate=31.03.2016, Manufacturer Part Number=24AA02E48T-I/OT, Mounted=Yes, PackageDescription="SOT, 0.95mm pitch; 5 pin, 1.60mm W X 2.90mm L X 1.45mm H body, IPC Medium Density", Part Description="1.7V-5.5V, 2K I2C Serial EEPROM With EUI-48 Node Identity", Part Number=24AA02E48T-I/OT, Pin Count=5, PressFit=No, Sense=No, SMD=Yes, Socket=No
IC27: "4.75-28VDC to 1-6VDC, 500mA Step-Down Converter With Sleep Mode", Case=SON10, Manufacturer="TEXAS INSTRUMENTS", Author="CERN DEM JMW", Bonding=No, Component Type=Standard, ComponentHeight=0.8mm, CreateDate=11.08.2015, Device=TPS62175DQC, HelpURL=\\cern.ch\dfs\Applications\Altium\Datasheets\TPS62175DQC.pdf, LatestRevisionDate=11.08.2015, Manufacturer Part Number=TPS62175DQC, Mounted=Yes, PackageDescription="SON, 10-Leads, Body 2x3mm, Pitch 0.5mm, Thermal Pad 0.94x2.5mm, IPC Medium Density", Part Description="4.75-28VDC to 1-6VDC, 500mA Step-Down Converter With Sleep Mode", Part Number=TPS62175DQC, Pin Count=11, PressFit=No, Sense=No, SMD=Yes, Socket=No
J14 J24: library part 3M_N2530-6002RB, "Connector 30 Male", Manufacturer=3M, Manufacturer Part Number=N2530-6002RB, Author="CERN DEM JLC", Component Type=Standard, ComponentHeight=10.03mm, CreateDate=11.02.2009, Family="Header 30", HelpURL=\\cern.ch\dfs\Applications\Altium\Datasheets\3M_N2530-6002RB.pdf, LatestRevisionDate=11.08.2009, Mounted=Yes, Part Description="30 Contacts - Straight .100'' x .100'' Low Profile Four-Wall Header, 2500 Series", Part Number=3M_N2530-6002RB, Pin Count=30, PressFit=No, Sense=No, SMD=No, Socket=No, Status=None
J15: library part TYCO_5406203-3, "Connector 4 x RJ45 + Shield", Manufacturer="TYCO ELECTRONICS", Manufacturer Part Number=5406203-3, Author="CERN DEM JLC", Component Type=Standard, ComponentHeight=13.64mm, CreateDate=30.10.2008, Family=RJ45, HelpURL=\\cern.ch\dfs\Applications\Altium\Datasheets\TYCO_5406203-3.pdf, LatestRevisionDate=30.10.2008, Mounted=Yes, Part Description="Modular RJ45 Jack, 4 Port, 8 Positions, Shielded, Reverse Panel Ground Tabs, Category 5", Part Number=TYCO_5406203-3, Pin Count=33, PressFit=No, Sense=No, SMD=No, Socket=No, Status=None
L2: library part IND_10UH_10%_MURATA-PS_8400, "Inductor With Core", Manufacturer="MURATA POWER SOLUTIONS", Manufacturer Part Number=84103C, Power=950mA, Resistance=0.24R, Tolerance=±10%, Author="CERN DEM JLC", Component Type=Standard, ComponentHeight=2.9mm, CreateDate=02.07.2012, HelpURL=\\cern.ch\dfs\Applications\Altium\Datasheets\IND_MURATA-PS_8400.pdf, LatestRevisionDate=02.07.2012, Mounted=Yes, Part Description="Miniature Surface Mount Power Inductor (8400 Serie)", Part Number=IND_10UH_10%_MURATA-PS_8400, Pin Count=2, Sense=No, SMD=Yes, Socket=No, Status=None
LD1 LD2 LD3 LD4: library part LED_BIVAR_H485CGDL, "LED x4 Green 1C2A-BOT_3C4A_5C6A_7C8A-TOP", Manufacturer=BIVAR, Manufacturer Part Number=H485CGDL, Author="CERN DEM JLC", Bonding=No, Color=Green, Component Type=Standard, ComponentHeight=11.3mm, CreateDate=04.06.2012, HelpURL=\\cern.ch\dfs\Applications\Altium\Datasheets\LED_BIVAR_H485CGDL.pdf, LatestRevisionDate=04.06.2012, Mounted=Yes, PackageDescription="Quad-Level 2mm Green, PCB Edge Mounting  BIVAR H485CHDL", Part Description="Quad-Level 2mm Green LED, PCB Edge Mounting", Part Number=LED_BIVAR_H485CGDL, Pin Count=8, PressFit=No, Sense=No, SMD=No, Socket=No
LD5 LD6 LD7 LD8: library part LED_KINGBRIGHT_KPH-1608CGCK, "LED Green 1C 2A", Manufacturer=KINGBRIGHT, Manufacturer Part Number=KPH-1608CGCK, Author="CERN DEM JLC", Bonding=No, Color=Green, Component Type=Standard, ComponentHeight=0.65mm, CreateDate=03.07.2017, HelpURL=\\cern.ch\dfs\Applications\Altium\Datasheets\LED_KINGBRIGHT_KPH-1608CGCK.pdf, LatestRevisionDate=03.07.2017, Mounted=Yes, PackageDescription="SMT Green LED, Case 0603, Body L 1.6 x W 0.8mm H 0.65mm", Part Description="SMD Green LED, Case 1.6mmX0.8mm(0603), 0.65mm Thickness", Part Number=LED_KINGBRIGHT_KPH-1608CGCK, Pin Count=2, PressFit=No, Sense=No, SMD=Yes, Socket=No
R1 R90 R92 R94 R96 R98 R100 R102 R104 R106 R108 R110 R112 R114 R116 R118 R120 R133A R133B R133C R133D R133E R133F R133G R133H R133I R133J R133K R133L R133M R133N R133O R133P: library part R0402_10K_1%_0.0625W_100PPM, "Resistor - 1%", Case=0402, Manufacturer=GENERIC, Manufacturer1 ComponentHeight=0.4mm, Manufacturer1 Example="YAGEO PHYCOMP", Manufacturer1 Part Number=232270671003L, Power=0.0625W, Tolerance=±1%, Author="CERN DEM JLC", Component Type=Standard, CreateDate=03.12.2007, HelpURL=\\cern.ch\dfs\Applications\Altium\Datasheets\R0402_Phycomp_RC0402.pdf, LatestRevisionDate=17.10.2012, Manufacturer Part Number=R0402_10K_1%_0.0625W_100PPM, Mounted=Yes, Part Description="General Purpose Thick Film Chip Resistor", Part Number=R0402_10K_1%_0.0625W_100PPM, Pin Count=2, Sense=No, SMD=Yes, Socket=No, Status="Not recommended", TC=±100ppm/°C
R2 R3 R4 R5 R6 R7 R89 R91 R93 R95 R97 R99 R101 R103 R105 R107 R109 R111 R113 R115 R117 R119: library part R0603_220R_1%_0.1W_100PPM, "Resistor - 1%", Case=0603, Manufacturer=GENERIC, Manufacturer1 ComponentHeight=0.55mm, Manufacturer1 Example="NIC COMPONENT", Manufacturer1 Part Number=NRC06F2200TRF, Power=0.1W, Tolerance=±1%, Author="CERN DEM JLC", Component Type=Standard, CreateDate=03.12.2007, HelpURL=\\cern.ch\dfs\Applications\Altium\Datasheets\R0603_NIC_NRC.pdf, LatestRevisionDate=13.03.2008, Manufacturer Part Number=R0603_220R_1%_0.1W_100PPM, Mounted=Yes, Part Description="General Purpose Thick Film Chip Resistor", Part Number=R0603_220R_1%_0.1W_100PPM, Pin Count=2, Sense=No, SMD=Yes, Socket=No, Status=Preferred, TC=±100ppm/°C
R8 R9: library part R0603_0R_JUMPER, "Resistor", Case=0603, Manufacturer=GENERIC, Manufacturer1 ComponentHeight=0.55mm, Manufacturer1 Example="NIC COMPONENT", Manufacturer1 Part Number=NRC06Z0, Author="CERN DEM JLC", Component Type=Standard, CreateDate=03.12.2007, HelpURL=\\cern.ch\dfs\Applications\Altium\Datasheets\R0603_NIC_NRC.pdf, LatestRevisionDate=13.03.2008, Manufacturer Part Number=R0603_0R_JUMPER, Mounted=Yes, Part Description="1A (0.05R Max DC Resistance) Zero Ohm Jumper", Part Number=R0603_0R_JUMPER, Pin Count=2, PressFit=No, Sense=No, SMD=Yes, Socket=No, Status=Preferred
R121: library part R0603_270K_1%_0.1W_100PPM, "Resistor - 1%", Case=0603, Manufacturer=GENERIC, Manufacturer1 ComponentHeight=0.55mm, Manufacturer1 Example="NIC COMPONENT", Manufacturer1 Part Number=NRC06F2703TRF, Power=0.1W, Tolerance=±1%, Author="CERN DEM JLC", Component Type=Standard, CreateDate=03.12.2007, HelpURL=\\cern.ch\dfs\Applications\Altium\Datasheets\R0603_NIC_NRC.pdf, LatestRevisionDate=13.03.2008, Manufacturer Part Number=R0603_270K_1%_0.1W_100PPM, Mounted=Yes, Part Description="General Purpose Thick Film Chip Resistor", Part Number=R0603_270K_1%_0.1W_100PPM, Pin Count=2, Sense=No, SMD=Yes, Socket=No, Status=Preferred, TC=±100ppm/°C
R122: library part R0603_82K_1%_0.1W_100PPM, "Resistor - 1%", Case=0603, Manufacturer=GENERIC, Manufacturer1 ComponentHeight=0.55mm, Manufacturer1 Example="NIC COMPONENT", Manufacturer1 Part Number=NRC06F8202TRF, Power=0.1W, Tolerance=±1%, Author="CERN DEM JLC", Component Type=Standard, CreateDate=03.12.2007, HelpURL=\\cern.ch\dfs\Applications\Altium\Datasheets\R0603_NIC_NRC.pdf, LatestRevisionDate=13.03.2008, Manufacturer Part Number=R0603_82K_1%_0.1W_100PPM, Mounted=Yes, Part Description="General Purpose Thick Film Chip Resistor", Part Number=R0603_82K_1%_0.1W_100PPM, Pin Count=2, Sense=No, SMD=Yes, Socket=No, Status=Preferred, TC=±100ppm/°C
R131A R131B R131C R131D R131E R131F R131G R131H R131I R131J R131K R131L R131M R131N R131O R131P R132A R132B R132C R132D R132E R132F R132G R132H R132I R132J R132K R132L R132M R132N R132O R132P: library part R0402_100R_1%_0.1W_100PPM, "Resistor - 1%", Case=0402, Manufacturer=GENERIC, Manufacturer1 ComponentHeight=0.4mm, Manufacturer1 Example=PANASONIC, Manufacturer1 Part Number=ERJ2RKF1000X, Manufacturer Part Number=R0402_100R_1%_0.1W_100PPM_50V, Power=0.1W, Tolerance=±1%, Voltage=50V, Author="CERN DEM JLC", Component Type=Standard, CreateDate=12.12.2013, HelpURL=\\cern.ch\dfs\Applications\Altium\Datasheets\R0402_PANASONIC_ERJ2RK.pdf, LatestRevisionDate=03.03.2015, Mounted=Yes, Part Description="General Purpose Thick Film Chip Resistor", Part Number=R0402_100R_1%_0.1W_100PPM, Pin Count=2, Sense=No, SMD=Yes, Socket=No, Status="Not recommended", TC=±100ppm/°C
SW5 SW6: library part SW_TYCO_1-1571983-0, "8 Ways SPST DIP Switch", Manufacturer=TYCO, Manufacturer Part Number="1-1571983-0 or GDH08S04", Author="CERN DEM JLC", Component Type=Standard, ComponentHeight=2.31mm, CreateDate=08.01.2009, Family=Switch, HelpURL=\\cern.ch\dfs\Applications\Altium\Datasheets\SW_TYCO_1-1571983-0.pdf, LatestRevisionDate=08.01.2009, Mounted=Yes, PackageDescription="Pitch 1.27mm,  Body 11.28x6.2mm, 8 Ways SPST Surface-Mount DIP Switch,TYCO GDH Serie", Part Description="8 Way SPST SMD DIP Switch, Latched, Contact Rating 0.025A 24VDC", Part Number=SW_TYCO_1-1571983-0, Pin Count=16, PressFit=No, Sense=No, SMD=Yes, Socket=No, Status=None
T25A T25B T25C T25D T25E T25F T25G T25H T25I T25J T25K T25L T25M T25N T25O T25P: "N-CHANNEL MOSFET WITH DIODE", Case=SOT23-3, Manufacturer="ON SEMICONDUCTOR", Author="CERN DEM JLC", Bonding=No, Component Type=Standard, ComponentHeight=1.11mm, CreateDate=23.03.2009, Device=BSS138LT1G, HelpURL=\\cern.ch\dfs\Applications\Altium\Datasheets\BSS138LT1G.pdf, LatestRevisionDate=23.03.2009, Manufacturer Part Number=BSS138LT1G, Mounted=Yes, PackageDescription="SOT23 3-Leads, Pitch 0.95mm - Body 1.4x3mm, IPC Medium Density", Part Description="50V 200mA N-Channel Enhancement Mode Field-Effect Transistor", Part Number=BSS138LT1G, Pin Count=3, PressFit=No, Sense=No, SMD=Yes, Socket=No

## Free pads (board coordinates)
  round 6 hole 3.2: 0(160,160) 1(160,245) 2(130,245) 3(130,160)

## Via types
v1: diameter 0.5, hole 0.2, TopLayer to BottomLayer, tented both sides, 428 vias
v2: diameter 0.6, hole 0.3, TopLayer to BottomLayer, tented both sides, 35 vias

## Nets (pads, with @x,y where several pads share a name; then routed paths per layer and width w, separated by ;. In a path a pad name is that pad's centre, name@x,y a point inside that pad or via, vN(x,y) a via of type N, cw(c..) or ccw(c..) an arc to the next point about the centre after c; other vN are vias at no path point)
DIR_CTRL0: IC19P.3 IC23.4 R90.1 R97.2 SW5.1 T25P.1 | length 98.8
  TopLayer w0.152: R97.2@120.55,240 v1(123.375,240) ; IC19P.3@125.404,218.41 125.005,218.41 124.654,218.058 124.654,217.262 125.178,216.737 126.192,216.737 126.417,216.513 128.268,216.513 128.492,216.737 130.944,216.737 131.069,216.612 134.092,216.612 134.598,217.119 137.938,217.119 138.817,217.998 138.817,218.954 139.121,219.258 139.121,220.09 140.01,220.979 140.448,220.979 141.027,220.4 147.473,220.4 147.552,220.479 147.948,220.479 148.027,220.4 148.4,220.4 v1(148.5,220.5)
  TopLayer w0.254: v1(142.75,236) 143,235.75 R90.1@146.03,235.75 ; IC23.4@152.85,215.885 156.385,215.885 v1(156.27,216)
  BottomLayer w0.152: v1(123.375,240) 123.375,238.65 126.025,236 v1(142.75,236) ; v1(148.5,220.5) 149.25,221.25 156.27,221.25
  BottomLayer w0.254: v1(142.75,236) 149.925,236 156.27,229.655 156.27,221.25 v1(156.27,216)
DIR_CTRL1: IC19O.3 IC23.5 R92.1 R99.2 SW5.2 T25O.1 | length 105.6
  TopLayer w0.152: R99.2@120.75,241.5 120.8,241.45 v1(123.9,241.45) ; IC19O.3@125.404,211.41 125.005,211.41 124.59,210.995 124.75,210.835 124.75,210.165 125.178,209.737 126.192,209.737 126.417,209.513 128.268,209.513 128.492,209.737 130.944,209.737 131.069,209.612 131.878,209.612 131.933,209.668 131.936,209.665 134.145,209.665 134.867,210.388 T25O.1@136.18,210.388 ; 138.076,210.119 138.186,210.228 138.186,213.532 138.464,213.81 138.464,215.864 139.1,216.5 144.25,216.5 146.75,219 v1(147.25,219)
  TopLayer w0.254: R99.2@120.55,241.5 R99.2@120.75,241.5 ; T25O.1@136.196,210.119 138.076,210.119 ; v1(142.5,237) 145.994,237 R92.1@146.03,237.036 ; IC23.5@152.85,214.615 v1(154.25,214.615) 156.365,214.615 v1(156.5,214.75)
  BottomLayer w0.152: v1(123.9,241.45) 123.9,238.975 125.875,237 v1(142.5,237) ; v1(147.25,219) 149.865,219 v1(154.25,214.615)
  BottomLayer w0.254: v1(142.5,237) 149.5,237 156.799,229.701 156.799,215.049 v1(156.5,214.75)
DIR_CTRL2: IC19N.3 IC23.6 R94.1 R101.2 SW5.3 T25N.1 | length 111
  TopLayer w0.152: R101.2@120.55,243 120.625,242.925 v1(124.65,242.925) ; IC19N.3@125.404,214.91 125.005,214.91 124.59,214.495 124.75,214.335 124.75,213.665 125.178,213.237 126.192,213.237 126.417,213.013 128.268,213.013 128.492,213.237 130.944,213.237 131.069,213.112 134.449,213.112 134.955,213.619 T25N.1@136.196,213.619 137.842,213.619 138.159,213.936 138.159,216.909 139.121,217.871 139.121,218.82 139.255,218.954 141.232,218.954 142.278,220 v1(147.75,220)
  TopLayer w0.254: v1(142.75,238.25) 142.821,238.321 R94.1@146.03,238.321 ; IC23.6@152.85,213.345 157.155,213.345 v1(157.25,213.25)
  BottomLayer w0.152: v1(124.65,242.925) 124.65,240.3 126.7,238.25 v1(142.75,238.25) ; v1(147.75,220) 149.542,220 154.729,214.813 154.729,214.621 156.1,213.25 v1(157.25,213.25)
  BottomLayer w0.254: v1(142.75,238.25) 149,238.25 157.25,230 v1(157.25,213.25)
DIR_CTRL3: IC19M.3 IC23.7 R96.1 R103.2 SW5.4 T25M.1 | length 212.9
  TopLayer w0.152: R103.2@120.55,244.5 120.6,244.45 v1(125.475,244.45) ; IC19M.3@125.404,207.91 125.005,207.91 124.59,207.495 124.75,207.335 124.75,206.665 125.178,206.237 126.192,206.237 126.417,206.013 128.268,206.013 128.492,206.237 130.944,206.237 131.069,206.112 134.092,206.112 134.227,206.248 134.867,206.888 T25M.1@136.15,206.888 ; T25M.1@136.15,206.8 137.2,206.8 v1(137.75,206.25) ; v1(140,205.25) 141.25,205.25 141.5,205 141.5,194.5 143.75,192.25 149.25,192.25 150.15,191.35 150.15,181.345 149.299,180.494 149.299,175.299 148.5,174.5 147.5,174.5 146.759,173.759 146.759,172.259 146.5,172 144.5,172 143.8,171.3 143.8,168.45 146,166.25 v1(146,162.75)
  TopLayer w0.254: v1(143,239.75) SW5.4@144.165,239.75 ; SW5.4@144.3,239.615 144.308,239.607 R96.1@146.03,239.607 ; IC23.7@152.85,212.075 157.425,212.075 v1(157.75,211.75)
  BottomLayer w0.152: v1(125.475,244.45) 125.475,244.373 125.775,244.073 125.775,241.225 127.25,239.75 v1(143,239.75) ; v1(137.75,206.25) 139,206.25 v1(140,205.25) ; v1(146,162.75) 146.5,162.75 147.925,161.325 155.035,161.325 159.83,166.121 160.743,166.121 162.451,167.828 162.451,208.507 160.858,210.1 158.5,210.1 157.75,210.85 v1(157.75,211.75)
  BottomLayer w0.254: v1(143,239.75) 148.175,239.75 158,229.925 158,212 v1(157.75,211.75)
DIR_CTRL4: IC19L.3 IC23.9 R89.2 R98.1 SW5.5 T25L.1 | length 184.6
  TopLayer w0.152: R89.2@120.55,234 130.3,234 132.95,236.65 v1(132.95,240.675) ; IC19L.3@125.404,190.41 125.005,190.41 124.59,189.995 124.75,189.835 124.75,189.165 125.178,188.737 126.192,188.737 126.417,188.513 128.268,188.513 128.492,188.737 130.944,188.737 131.069,188.612 131.878,188.612 131.933,188.668 131.936,188.665 134.145,188.665 134.867,189.388 T25L.1@136.18,189.388 ; T25L.1@136.196,189.119 139.131,189.119 139.5,188.75 139.5,171.665 145.25,165.915 v1(145.25,164.25)
  TopLayer w0.254: v1(142.75,240.75) 142.885,240.885 SW5.5@144.3,240.885 146.022,240.885 R98.1@146.03,240.893 ; v1(160.5,210.75) 160.555,210.805 IC23.9@162.15,210.805
  BottomLayer w0.152: v1(132.95,240.675) 132.987,240.712 142.712,240.712 v1(142.75,240.75) ; v1(145.25,164.25) 145.533,163.967 145.533,163.706 145.555,163.685 145.555,162.982 145.521,162.948 145.521,162.479 146.021,161.979 146.021,161.802 146.803,161.02 155.161,161.02 158.284,164.143 159.197,164.143 161.554,166.5 162.755,166.5 162.755,208.94 160.945,210.75 v1(160.5,210.75)
  BottomLayer w0.254: v1(142.75,240.75) 147.75,240.75 158.5,230 158.5,214.351 159.056,213.794 159,213.738 159,212.25 v1(160.5,210.75)
DIR_CTRL5: IC19K.3 IC23.10 R91.2 R100.1 SW5.6 T25K.1 | length 179.3
  TopLayer w0.152: R91.2@120.55,235.5 129.825,235.5 132.425,238.1 132.425,240.95 v1(133.375,241.9) ; IC19K.3@125.404,183.41 125.005,183.41 124.59,182.995 124.75,182.835 124.75,182.165 125.178,181.737 126.192,181.737 126.417,181.513 128.268,181.513 128.492,181.737 130.944,181.737 131.069,181.612 131.878,181.612 131.933,181.668 131.936,181.665 134.145,181.665 134.867,182.388 T25K.1@136.18,182.388 ; T25K.1@136.196,182.119 138.131,182.119 138.89,181.36 138.89,171.179 143.036,167.033 143.261,167.033 144.055,166.239 144.055,165.849 144,165.794 v1(144,164.5)
  TopLayer w0.254: v1(142.5,242) SW5.6@144.145,242 ; SW5.6@144.3,242.155 144.324,242.179 R100.1@146.03,242.179 ; v1(160.25,212) 162.075,212 IC23.10@162.15,212.075
  BottomLayer w0.152: v1(133.375,241.9) 133.425,241.95 142.45,241.95 v1(142.5,242) ; v1(144,164.5) 144.309,164.5 145.25,163.558 145.25,163.108 145.217,163.074 145.217,162.033 146.535,160.715 155.343,160.715 156.162,161.534 156.162,161.59 158.41,163.838 160.525,163.838 163.06,166.374 163.06,209.885 160.945,212 v1(160.25,212)
  BottomLayer w0.254: v1(142.5,242) 147.425,242 159.206,230.22 159.206,226.18 159.083,226.057 159.083,214.343 159.515,213.91 159.515,213.679 159.5,213.663 159.5,212.75 v1(160.25,212)
DIR_CTRL6: IC19J.3 IC23.11 R93.2 R102.1 SW5.7 T25J.1 | length 184.3
  TopLayer w0.152: R93.2@120.55,237 130.025,237 131.875,238.85 v1(131.875,240.875) ; IC19J.3@125.404,186.91 125.005,186.91 124.59,186.495 124.75,186.335 124.75,185.665 125.178,185.237 126.192,185.237 126.417,185.013 128.268,185.013 128.492,185.237 130.944,185.237 131.069,185.112 131.878,185.112 131.933,185.168 131.949,185.152 134.132,185.152 134.598,185.619 T25J.1@136.196,185.619 136.291,185.713 136.291,185.734 136.406,185.619 138.374,185.619 139.195,184.797 139.195,171.538 144.5,166.234 v1(144.5,163.25)
  TopLayer w0.254: v1(142.5,243.5) 142.575,243.425 SW5.7@144.3,243.425 145.991,243.425 R102.1@146.03,243.464 ; v1(160.5,213.5) 160.655,213.345 IC23.11@162.15,213.345
  BottomLayer w0.152: v1(131.875,240.875) 131.879,240.879 131.879,241.354 134.025,243.5 v1(142.5,243.5) ; v1(144.5,163.25) 144.5,162.15 146.24,160.41 155.523,160.41 156.467,161.354 156.467,161.464 158.536,163.533 160.651,163.533 163.365,166.248 163.365,211.08 160.945,213.5 v1(160.5,213.5)
  BottomLayer w0.254: v1(142.5,243.5) 146.5,243.5 159.612,230.388 159.612,226.012 159.489,225.889 159.489,215.186 159.75,214.925 159.75,214.25 v1(160.5,213.5)
DIR_CTRL7: IC19I.3 IC23.12 R95.2 R104.1 SW5.8 T25I.1 | length 178.1
  TopLayer w0.152: R95.2@120.55,238.5 129.35,238.5 130.95,240.1 v1(130.95,240.9) ; IC19I.3@125.404,179.91 125.005,179.91 124.59,179.495 124.75,179.335 124.75,178.665 125.178,178.237 126.192,178.237 126.417,178.013 128.268,178.013 128.492,178.237 130.944,178.237 131.069,178.112 131.878,178.112 131.933,178.168 131.936,178.165 134.145,178.165 134.867,178.888 T25I.1@136.18,178.888 ; T25I.1@136.196,178.619 137.631,178.619 138.586,177.664 138.586,171.052 142.909,166.729 143.134,166.729 143.521,166.342 143.521,164.301 143.75,164.073 v1(143.75,163.292)
  TopLayer w0.254: v1(143,244.75) 144.245,244.75 SW5.8@144.3,244.695 144.355,244.75 R104.1@146.03,244.75 ; v1(160.5,214.75) 162.015,214.75 IC23.12@162.15,214.615
  BottomLayer w0.152: v1(130.95,240.9) 132.85,242.8 132.85,242.925 134.675,244.75 v1(143,244.75) ; v1(143.75,163.292) 143.75,162.4 146.044,160.106 155.649,160.106 156.771,161.228 156.771,161.337 158.663,163.229 160.777,163.229 163.67,166.121 163.67,212.025 160.945,214.75 v1(160.5,214.75)
  BottomLayer w0.254: 143.2,244.5 147.25,244.5 160.5,231.25 160.5,226.786 160.019,226.305 160.019,225.843 159.896,225.72 159.896,215.354 v1(160.5,214.75)
DIR_CTRL8: IC19H.3 IC25.4 R106.1 R113.2 SW6.1 T25H.1 | length 67.1
  TopLayer w0.152: R113.2@120.55,228 120.575,228.025 v1(129.1,228.025) ; IC19H.3@125.404,204.41 125.005,204.41 124.59,203.995 124.75,203.835 124.75,203.165 125.178,202.737 126.192,202.737 126.417,202.513 128.268,202.513 128.492,202.737 130.944,202.737 131.069,202.612 131.878,202.612 131.933,202.668 131.936,202.665 134.145,202.665 134.867,203.388 T25H.1@136.18,203.388 ; T25H.1@136.196,203.119 137.841,203.119 138.281,203.558 138.281,209.25 138.49,209.46 138.49,213.405 138.769,213.684 138.769,215.519 139.135,215.885 IC25.4@140.35,215.885
  TopLayer w0.254: IC25.4@140.35,215.885 v1(142.135,215.885) ; v1(142.25,223.25) R106.1@146.03,223.25
  BottomLayer w0.152: v1(129.1,228.025) 132.275,224.85 132.275,224.55 133.575,223.25 v1(142.25,223.25)
  BottomLayer w0.254: v1(142.135,215.885) 142.25,216 v1(142.25,223.25)